# Altium PCB BMS.PcbDoc (part 1 of 2)
Units mil, origin at the board's own origin, x right, y up, seen from the top; angles counter-clockwise.
Board outline 3724.71 x 1020 mil, 4 copper layers (Component Side, Ground Plane, Power Plane, Solder Side), stack 60.8 mil thick; 248 components, 158 nets, 745 pads, 646 vias.
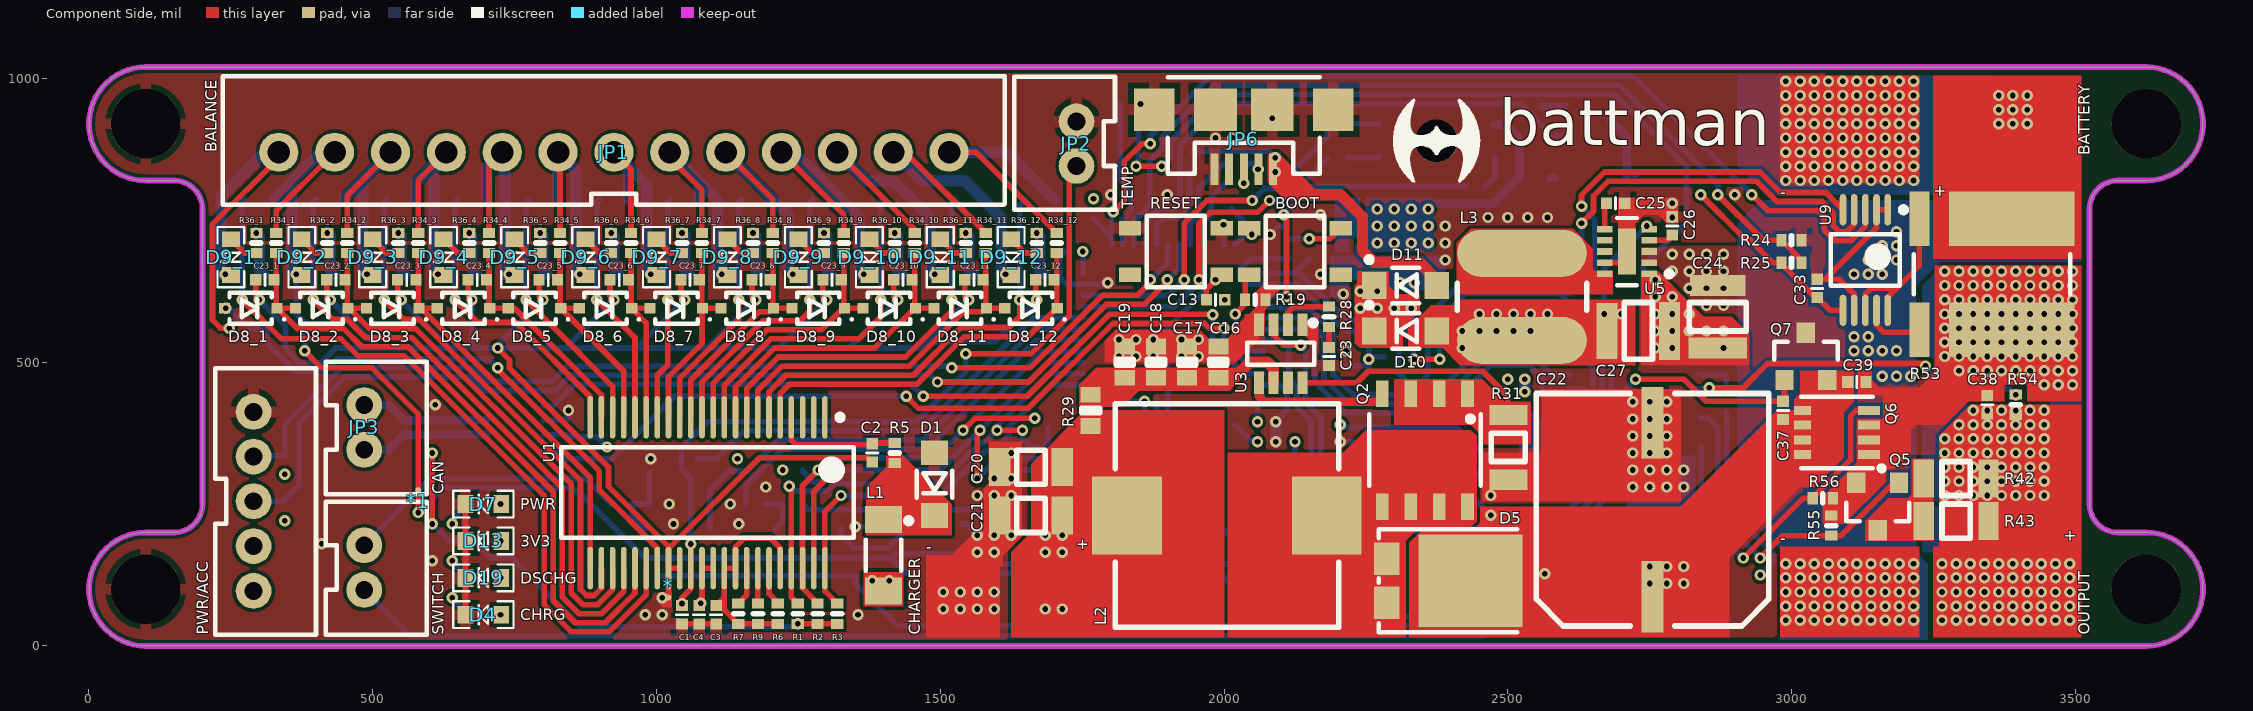
[diagram p0: Component Side view]
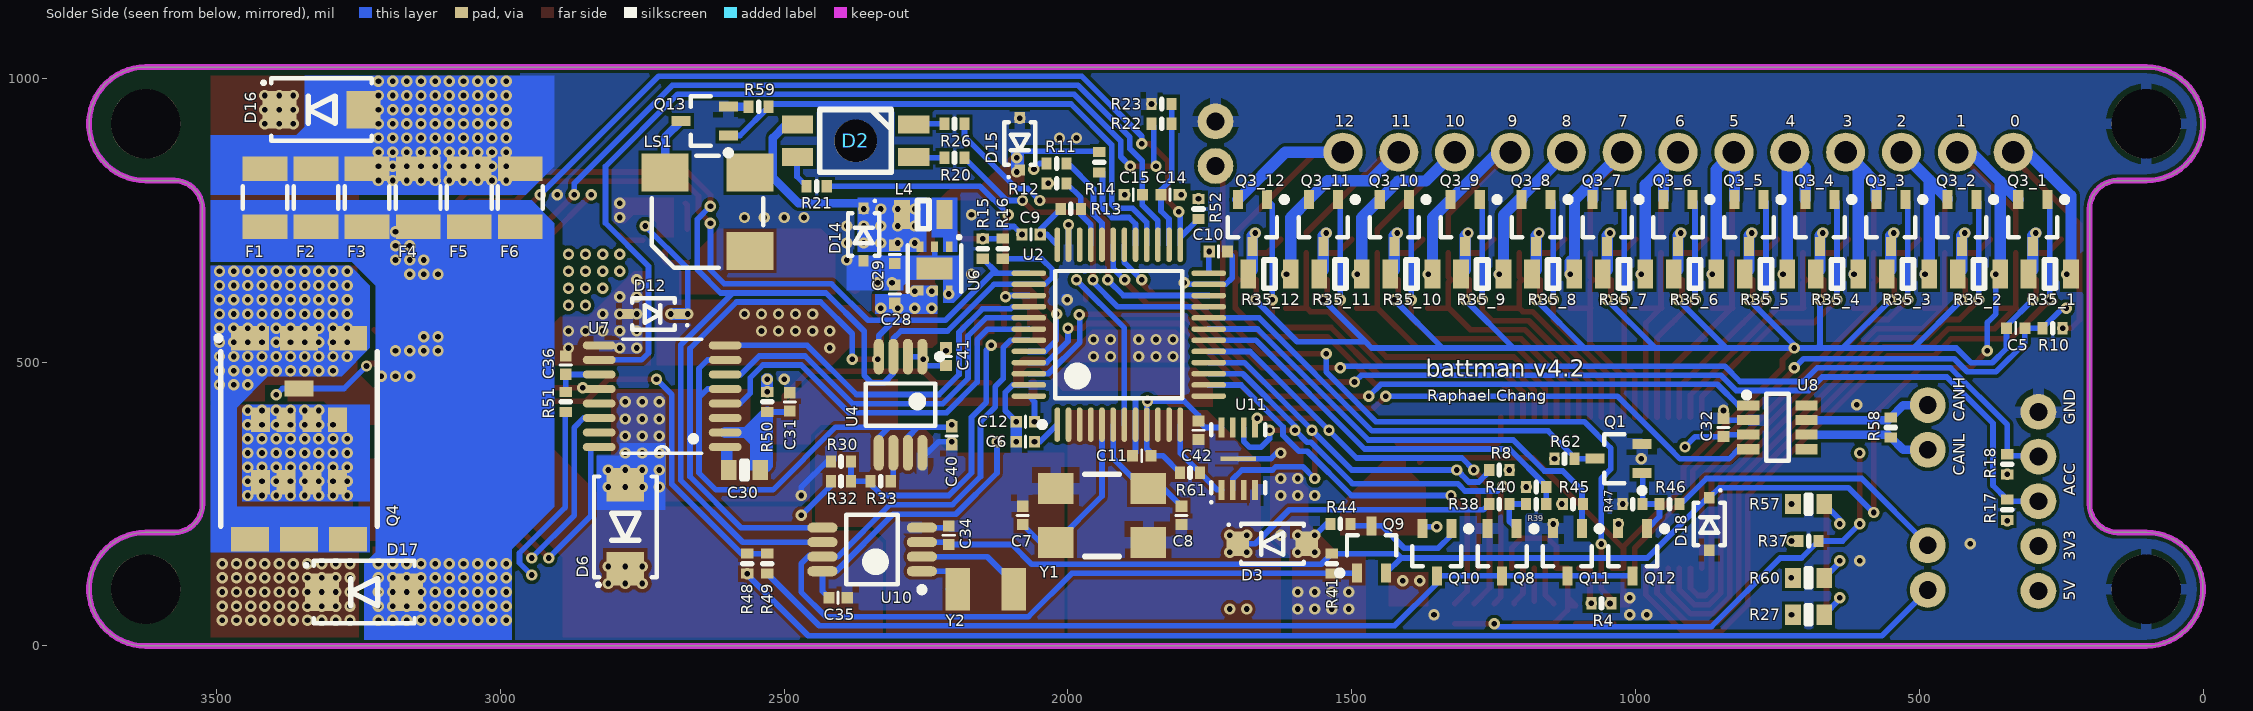
[diagram p1: Solder Side view, seen from below]
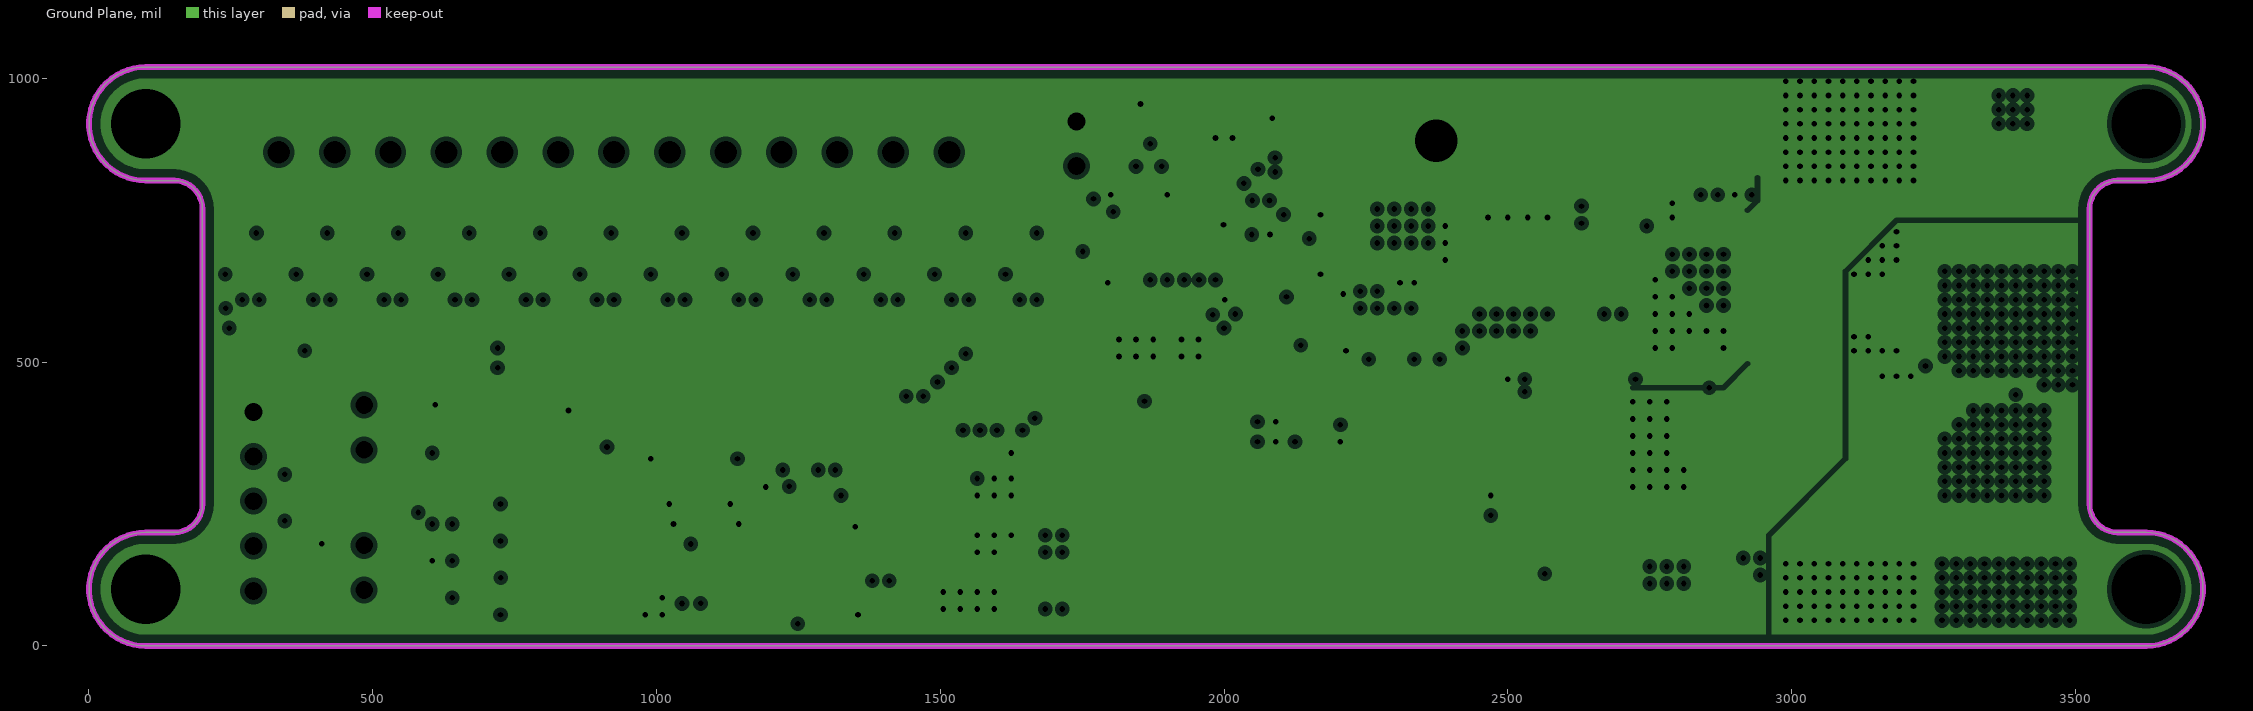
[diagram p2: Ground Plane, clearances drawn from the general rule]
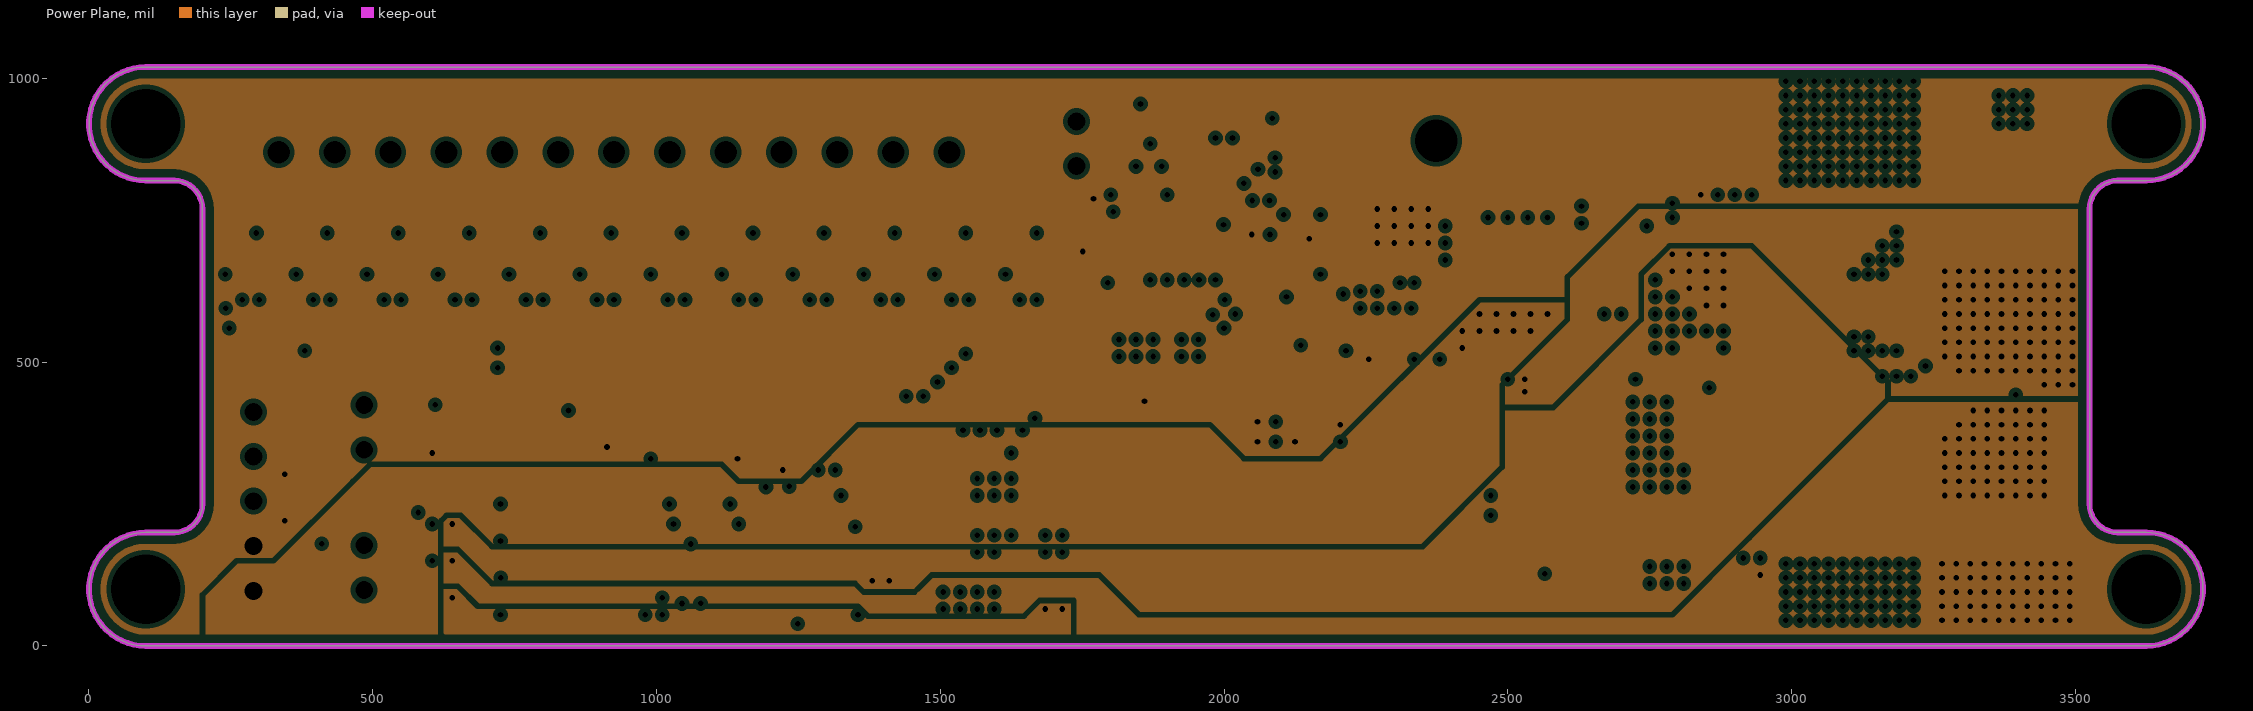
[diagram p3: Power Plane, clearances drawn from the general rule]
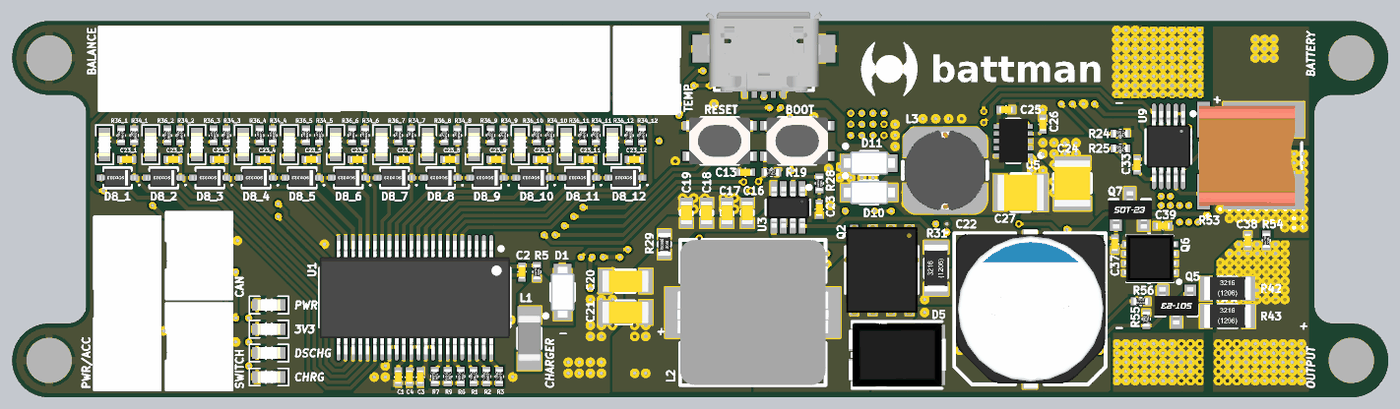
[diagram p5: 3D render of the assembled board from above, using the file's embedded part models]
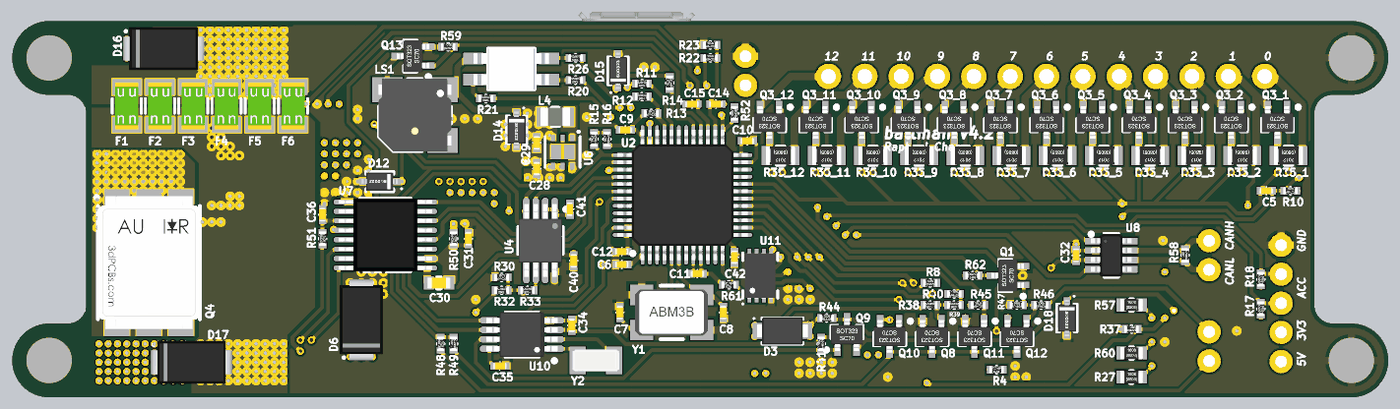
[diagram p6: 3D render of the assembled board from below, using the file's embedded part models]

## Layer stack, top to bottom
Top Solder: solder mask 0.4, Solder Resist, Dk 3.5
Component Side: signal copper 1.4
Dielectric 1: prepreg 9.1, 2116, Dk 4.2
Ground Plane: plane copper 1.4, net (Multiple Nets)
Dielectric 3: core 37, FR-4, Dk 4.2
Power Plane: plane copper 1.4, net (Multiple Nets)
Dielectric 4: prepreg 9.1, 2116, Dk 4.2
Solder Side: signal copper 1.4
Bottom Solder: solder mask 0.4, Solder Resist, Dk 3.5

## Board outline
100,200 150,200 ccw(c150,250) 200,250 200,770 ccw(c150,770) 150,820 100,820 cw(c100,920) 100,1020 3625,1020 cw(c3625,920) 3625,820 3575,820 ccw(c3575,770) 3525,770 3525,250 ccw(c3575,250) 3575,200 3625,200 cw(c3625,100) 3625,0 100,0 cw(c100,100)

## Design rules (kind name [scope] priority, off if disabled: settings)
Clearance [All] p1: gap=6
ComponentClearance [Not IsNetTieComponent vs Not IsNetTieComponent] p1: gap=10 collisioncheckmode=3 verticalgap=10 showdistances=FALSE
HoleSize [All] p1: absolutevalues=TRUE maxlimit=500 minlimit=1 maxpercent=80.000 minpercent=20.000
MinimumSolderMaskSliver [All] p1: minsoldermaskwidth=3
PlaneClearance [All] p1: clearance=8
PlaneConnect [All] p1: planeconnectstyle=Direct reliefexpansion=20 reliefentries=4 reliefconductorwidth=10 reliefairgap=10
PolygonConnect PolygonConnectLED [HasFootprint('XZMDKCBDDG45S-9')] p1: connectstyle=Direct reliefconductorwidth=10 reliefentries=4 polygonreliefangle="90 Angle" airgapwidth=10
PolygonConnect PolygonConnectPower [IsNamedPolygon('Power')] p2: connectstyle=Direct reliefconductorwidth=10 reliefentries=4 polygonreliefangle="90 Angle" airgapwidth=10
PolygonConnect PolygonConnectVDD [All vs InNet('VDD')] p3: connectstyle=Direct reliefconductorwidth=10 reliefentries=4 polygonreliefangle="90 Angle" airgapwidth=10
PolygonConnect PolygonConnectVia [All vs IsVia] p4: connectstyle=Direct reliefconductorwidth=10 reliefentries=4 polygonreliefangle="90 Angle" airgapwidth=10
PolygonConnect [All] p5: connectstyle=Relief reliefconductorwidth=20 reliefentries=4 polygonreliefangle="90 Angle" airgapwidth=10
RoutingVias [All] p1: holewidth=10 width=20 viastyle="Through Hole" minholewidth=10 minwidth=20 maxholewidth=28 maxwidth=50
SilkToSilkClearance [All] p1: silktosilkclearance=0
SolderMaskExpansion SolderMaskExpansionVia [IsVia] p1: expansion=1 soldermaskfromhole=TRUE
SolderMaskExpansion [All] p2: expansion=3
Width [All] p1: maxlimit=500 minlimit=10 preferedwidth=10 minimp=50.000000 maximp=50.000000 favimp=50.000000
24 further rules are at their usual default settings.

## Classes and differential pairs
component class U_Flash: C42 R61 U11
component class U_CurrentSense: C33 R53
component class U_Connectors: ACCESSORY JP3 JP6 SWITCH
component class U_CAN: C33 R53 U7
component class 1: C23_1 D8_1 D9_1 R34_1 R35_1 R36_1
component class 2: C23_2 D8_2 D9_2 R34_2 R35_2 R36_2
component class 3: C23_3 D8_3 D9_3 R34_3 R35_3 R36_3
component class 4: C23_4 D8_4 D9_4 R34_4 R35_4 R36_4
component class 5: C23_5 D8_5 D9_5 R34_5 R35_5 R36_5
component class 6: C23_6 D8_6 D9_6 R34_6 R35_6 R36_6
component class 7: C23_7 D8_7 D9_7 R34_7 R35_7 R36_7
component class 8: C23_8 D8_8 D9_8 R34_8 R35_8 R36_8
component class 9: C23_9 D8_9 D9_9 R34_9 R35_9 R36_9
component class 10: C23_10 D8_10 D9_10 R34_10 R35_10 R36_10
component class 11: C23_11 D8_11 D9_11 R34_11 R35_11 R36_11
component class 12: C23_12 D8_12 D9_12 R34_12 R35_12 R36_12
component class U_3V3: C9 C14 C24 C25 C27 C30 D7 D14 D15 D16 L2 L4 R16 U6
channel class Cell: 1 2 3 4 5 6 7 8 9 10 11 12
component class U_MCU: BOOT C4 C10 C12 C14 C15 C25 C27 C30 C33 C42 D15 Q1 R7 R9 R13 R15 R16 R18 R19 R20 R21 R23 R24 R25 R30 R53 R60 R62 RESET U2
component class U_Charging: C14 C20 C21 C27 C30 C41 C42 D4 D7 D15 L2 R23 R29 R30 R32 R33 U2 U4
component class U_LTC6803: C1 C2 C4 C27 D1 JP1 JP3 L1 R1 R2 R3 R4 R6 R7 R9 R30 U1
component class U_Switches: C10 C30 C? D16 F1 F2 Q4 Q5 Q7 Q8 Q10 Q11 R10 R37 R41 R42 R46 R48 R49 R60 U7
component class U_RTCC: U10 Y2
net class CELL: CELL1 CELL2 CELL3 CELL4 CELL5 CELL6 CELL7 CELL8 CELL9 CELL10 CELL11 CELL12
component class U_Buzzer: LS1 Q8 R60

## Components (designator, comment, footprint, x,y, rotation, side; value= is the part's Value field where it differs from the comment)
* "NetTie" NETTIE 1021.1,105 r90 top net-tie
*1 "NetTie" NETTIE 580,255 r270 top net-tie
BOOT "" SWITCH 2125,695 r180 top
C1 "1uF 6.3V 0402" C0402[1005X55] 1045,55 r90 top
C2 "0.1uF 100V 0402" C0402[1005X55] 1380,340 r90 top
C3 "1uF 6.3V 0402" C0402[1005X55] 1105,55 r90 top
C4 "1uF 6.3V 0402" C0402[1005X55] 1075,55 r90 top
C5 "0.1uF 6.3V 0402" C0402[1005X55] 330,560 r180 bottom
C6 "4.7uF 6.3V 0402" C0402[1005X55] 2075,360 r180 bottom
C7 "15pF 50V 0402" C0402[1005X55] 2080,230 r270 bottom
C8 "15pF 50V 0402" C0402[1005X55] 1800,230 r90 bottom
C9 "2.2uF 6.3V 0402" C0402[1005X55] 2065,725 r180 bottom
C10 "2.2uF 6.3V 0402" C0402[1005X55] 1735,695 r0 bottom
C11 "2.2uF 6.3V 0402" C0402[1005X55] 1870,335 r180 bottom
C12 "2.2uF 6.3V 0402" C0402[1005X55] 2075,395 r180 bottom
C13 "0.1uF 6.3V 0402" C0402[1005X55] 1985,610 r0 top
C14 "0.1uF 6.3V 0402" C0402[1005X55] 1820,795 r0 bottom
C15 "2.2uF 6.3V 0402" C0402[1005X55] 1885,795 r180 bottom
C16 "10uF 16V 0603" C0603[1608X92] 1990,500 r270 top
C17 "10uF 16V 0603" C0603[1608X92] 1935,500 r270 top
C18 "10uF 16V 0603" C0603[1608X92] 1880,500 r270 top
C19 "10uF 16V 0603" C0603[1608X92] 1825,500 r270 top
C20 "10uF 50V 1206" C1206[3216X160] 1660,315 r0 top
C21 "10uF 50V 1206" C1206[3216X160] 1660,230 r0 top
C22 "180uF 50V" CAP-ELECTROLYTIC[10.0X12.6] 2755,240 r180 top
C23 "2.2nF 50V 0402" C0402[1005X55] 2185,510 r90 top
C23_1 "0.1uF 100V 0402" C0402[1005X55] 310,645 r0 top (schematic designator C23)
C23_2 "0.1uF 100V 0402" C0402[1005X55] 435,645 r0 top (schematic designator C23)
C23_3 "0.1uF 100V 0402" C0402[1005X55] 560,645 r0 top (schematic designator C23)
C23_4 "0.1uF 100V 0402" C0402[1005X55] 684.25,645 r0 top (schematic designator C23)
C23_5 "0.1uF 100V 0402" C0402[1005X55] 809.25,645 r0 top (schematic designator C23)
C23_6 "0.1uF 100V 0402" C0402[1005X55] 934.25,645 r0 top (schematic designator C23)
C23_7 "0.1uF 100V 0402" C0402[1005X55] 1059.25,645 r0 top (schematic designator C23)
C23_8 "0.1uF 100V 0402" C0402[1005X55] 1184.25,645 r0 top (schematic designator C23)
C23_9 "0.1uF 100V 0402" C0402[1005X55] 1309.25,645 r0 top (schematic designator C23)
C23_10 "0.1uF 100V 0402" C0402[1005X55] 1434.25,645 r0 top (schematic designator C23)
C23_11 "0.1uF 100V 0402" C0402[1005X55] 1559.25,645 r0 top (schematic designator C23)
C23_12 "0.1uF 100V 0402" C0402[1005X55] 1684.25,645 r0 top (schematic designator C23)
C24 "4.7uF 100V 1210" C1210[3225X200] 2870,580 r90 top
C25 "3.3nF 50V 0402" C0402[1005X55] 2690,780 r180 top
C26 "1uF 6.3V 0402" C0402[1005X55] 2790,740 r270 top
C27 "47uF 6.3V 1210" C1210[3225X250] 2730,555 r180 top
C28 "10uF 6.3V 0402" C0402[1005X55] 2305,620 r270 bottom
C29 "10uF 6.3V 0402" C0402[1005X55] 2305,690 r90 bottom
C30 "1uF 50V 0603" C0603[1608X92] 2570,310 r0 bottom
C31 "10nF 100V 0402" C0402[1005X55] 2490,430 r270 bottom
C32 "0.1uF 6.3V 0402" C0402[1005X55] 845,385 r270 bottom
C33 "1uF 6.3V 0402" C0402[1005X55] 3045,630 r270 top
C34 "0.1uF 6.3V 0402" C0402[1005X55] 2210,195 r270 bottom
C35 "0.1uF 6.3V 0402" C0402[1005X55] 2405,85 r180 bottom
C36 "10nF 100V 0402" C0402[1005X55] 2885,495 r270 bottom
C37 "1nF 50V 0402" C0402[1005X55] 2985,415 r270 top
C38 "0.1uF 100V 0402" C0402[1005X55] 3345,425 r270 top
C39 "0.1uF 100V 0402" C0402[1005X55] 3115,465 r180 top
C40 "0.1uF 6.3V 0402" C0402[1005X55] 2205,370 r90 bottom
C41 "0.1uF 6.3V 0402" C0402[1005X55] 2215,510 r270 bottom
C42 "0.1uF 6.3V 0402" C0402[1005X55] 1770,380 r270 bottom
D1 "CMHZ5265B TR" SOD-123 1490,285 r90 top
D2 "XZMDKCBDDG45S-9" XZMDKCBDDG45S-9 2374.15,890 r180 bottom
D3 "PTVS51VS1UTR" SOD-123W 1640,180 r180 bottom
D4 "LED_0603_GREEN_5mA" LED0603 695,55 r180 top
D5 "FSV10120V" TO-277 2395,115 r180 top
D6 "SMAJ51A" DO-214AC 2780,210 r90 bottom
D7 "LED-BLUE" LED0603 695,250 r180 top
D8_1 "MM3Z12VT1G" SOD-323 285,595 r180 top (schematic designator D8)
D8_2 "MM3Z12VT1G" SOD-323 410,595 r180 top (schematic designator D8)
D8_3 "MM3Z12VT1G" SOD-323 535,595 r180 top (schematic designator D8)
D8_4 "MM3Z12VT1G" SOD-323 660,595 r180 top (schematic designator D8)
D8_5 "MM3Z12VT1G" SOD-323 785,595 r180 top (schematic designator D8)
D8_6 "MM3Z12VT1G" SOD-323 910,595 r180 top (schematic designator D8)
D8_7 "MM3Z12VT1G" SOD-323 1035,595 r180 top (schematic designator D8)
D8_8 "MM3Z12VT1G" SOD-323 1160,595 r180 top (schematic designator D8)
D8_9 "MM3Z12VT1G" SOD-323 1285,595 r180 top (schematic designator D8)
D8_10 "MM3Z12VT1G" SOD-323 1410,595 r180 top (schematic designator D8)
D8_11 "MM3Z12VT1G" SOD-323 1535,595 r180 top (schematic designator D8)
D8_12 "MM3Z12VT1G" SOD-323 1660,595 r180 top (schematic designator D8)
D9_1 "LED_0603_BLUE_5mA" LED0603 250,685 r270 top (schematic designator D9)
D9_2 "LED_0603_BLUE_5mA" LED0603 375,685 r270 top (schematic designator D9)
D9_3 "LED_0603_BLUE_5mA" LED0603 500,685 r270 top (schematic designator D9)
D9_4 "LED_0603_BLUE_5mA" LED0603 625,685 r270 top (schematic designator D9)
D9_5 "LED_0603_BLUE_5mA" LED0603 750,685 r270 top (schematic designator D9)
D9_6 "LED_0603_BLUE_5mA" LED0603 875,685 r270 top (schematic designator D9)
D9_7 "LED_0603_BLUE_5mA" LED0603 1000,685 r270 top (schematic designator D9)
D9_8 "LED_0603_BLUE_5mA" LED0603 1125,685 r270 top (schematic designator D9)
D9_9 "LED_0603_BLUE_5mA" LED0603 1250,685 r270 top (schematic designator D9)
D9_10 "LED_0603_BLUE_5mA" LED0603 1375,685 r270 top (schematic designator D9)
D9_11 "LED_0603_BLUE_5mA" LED0603 1500,685 r270 top (schematic designator D9)
D9_12 "LED_0603_BLUE_5mA" LED0603 1625,685 r270 top (schematic designator D9)
D10 "PMEG6020ER" SOD-123 2320,555 r0 top
D11 "PMEG6020ER" SOD-123 2320,635 r0 top
D12 "SP4021-01FTG" SOD-323 2730,585 r0 bottom
D13 "LED_0603_GREEN_5mA" LED0603 695,185 r180 top
D14 "SP4020-01FTG" SOD-323 2360,725 r270 bottom
D15 "SP4021-01FTG" SOD-323 2085,885 r90 bottom
D16 "SMAJ51A" DO-214AC 3315,945 r180 bottom
D17 "SMAJ51A" DO-214AC 3240,95 r180 bottom
D18 "SP4021-01FTG" SOD-323 870,215 r270 bottom
D19 "LED-BLUE" LED0603 695,120 r180 top
F1 "FUSE 1206" 1206_FUSE 3415,790 r90 bottom
F2 "FUSE 1206" 1206_FUSE 3325,790 r90 bottom
F3 "FUSE 1206" 1206_FUSE 3235,790 r90 bottom
F4 "FUSE 1206" 1206_FUSE 3145,790 r90 bottom
F5 "FUSE 1206" 1206_FUSE 3055,790 r90 bottom
F6 "FUSE 1206" 1206_FUSE 2965,790 r90 bottom
JP1 "BALANCE" JST-XH-13-PTH-VERT 925,870 r0 top
JP2 "TEMP" JST-PH-2-PTH-VERT 1740,885 r90 top
JP3 "CAN" JST-PH-2-PTH-VERT 485,385 r270 top
JP6 "USB" USB-MICROB 2035,945 r180 top
L1 "MURA-FB-2" MURA-BLM31-B60-CHIP-2_V3 1400,160 r90 top
L2 "SRP1038A-220M" SRP1038A 2005,230 r0 top
L3 "" SDR0604 2525,615 r270 top
L4 "2.2uH" IND0805 2255,760 r0 bottom
LS1 "CSS-0575A-SMT" CSS-0575A-SMT 2635,765 r0 bottom
PWR/ACC "PWR/ACC" JST-PH-5-PTH-VERT 290,255 r270 top (schematic designator JP5)
Q1 "BSS123" SOT323-3 1030,330 r0 bottom
Q2 "SIR664DP" POWERPAK-8 2354,345 r270 top
Q3_1 "BSS84PWH6327XTSA1" SOT323-3 300,745 r270 bottom (schematic designator Q3)
Q3_2 "BSS84PWH6327XTSA1" SOT323-3 425,745 r270 bottom (schematic designator Q3)
Q3_3 "BSS84PWH6327XTSA1" SOT323-3 550,745 r270 bottom (schematic designator Q3)
Q3_4 "BSS84PWH6327XTSA1" SOT323-3 675,745 r270 bottom (schematic designator Q3)
Q3_5 "BSS84PWH6327XTSA1" SOT323-3 800,745 r270 bottom (schematic designator Q3)
Q3_6 "BSS84PWH6327XTSA1" SOT323-3 925,745 r270 bottom (schematic designator Q3)
Q3_7 "BSS84PWH6327XTSA1" SOT323-3 1050,745 r270 bottom (schematic designator Q3)
Q3_8 "BSS84PWH6327XTSA1" SOT323-3 1175,745 r270 bottom (schematic designator Q3)
Q3_9 "BSS84PWH6327XTSA1" SOT323-3 1300,745 r270 bottom (schematic designator Q3)
Q3_10 "BSS84PWH6327XTSA1" SOT323-3 1425,745 r270 bottom (schematic designator Q3)
Q3_11 "BSS84PWH6327XTSA1" SOT323-3 1550,745 r270 bottom (schematic designator Q3)
Q3_12 "BSS84PWH6327XTSA1" SOT323-3 1675,745 r270 bottom (schematic designator Q3)
Q4 "IRF7749L1" DIRECTFET-9 3355,365 r270 bottom
Q5 "SI2309CDS-T1-GE3" SOT23-3 3152,248 r180 top
Q6 "SIS862DN-T1-GE3" PowerPak-1212-8 3080,376 r180 top
Q7 "SI2309CDS-T1-GE3" SOT23-3 3025,508 r0 top
Q8 "BSS123" SOT323-3 1235,165 r270 bottom
Q9 "BSS84PWH6327XTSA1" SOT323-3 1465,170 r90 bottom
Q10 "BSS123" SOT323-3 1350,165 r270 bottom
Q11 "BSS123" SOT323-3 1120,165 r270 bottom
Q12 "BSS123" SOT323-3 1005,165 r270 bottom
Q13 "BSS123" SOT323-3 2640,925 r0 bottom
R1 "1M 1% 0402" R0402[1005] 1248.86,56.72 r90 top
R2 "1M 1% 0402" R0402[1005] 1283.86,56.72 r90 top
R3 "1M 1% 0402" R0402[1005] 1318.6,56.72 r90 top
R4 "100K 1% 0402" R0402[1005] 1060,75 r0 bottom
R5 "100R 1% 0402" R0402[1005] 1420,340 r270 top
R6 "1M 1% 0402" R0402[1005] 1213.88,56.72 r270 top
R7 "1M 1% 0402" R0402[1005] 1143.86,56.72 r270 top
R8 "1K 1% 0402" R0402[1005] 1240,310 r180 bottom
R9 "1M 1% 0402" R0402[1005] 1178.86,56.72 r270 top
R10 "100R 1% 0402" R0402[1005] 265,560 r180 bottom
R11 "22R 1% 0402" R0402[1005] 2020,850 r0 bottom
R12 "22R 1% 0402" R0402[1005] 2020,815 r0 bottom
R13 "1K5 1% 0402" R0402[1005] 1995,770 r180 bottom
R14 "10K 1% 0402" R0402[1005] 1945,852.28 r90 bottom
R15 "2K2 1% 0402" R0402[1005] 2150,700 r90 bottom
R16 "2K2 1% 0402" R0402[1005] 2115,700 r90 bottom
R17 "4K7 1% 0402" R0402[1005] 345,240 r270 bottom
R18 "4K7 1% 0402" R0402[1005] 345,320 r270 bottom
R19 "10K 1% 0402" R0402[1005] 2055,610 r0 top
R20 "4R7 1% 0402" R0402[1005] 2200,860 r0 bottom
R21 "4R7 1% 0402" R0402[1005] 2442.71,810 r0 bottom
R22 "200K 1% 0402" R0402[1005] 1835,920 r180 bottom
R23 "10K 1% 0402" R0402[1005] 1835,955 r180 bottom
R24 "10K 1% 0402" R0402[1005] 3000,715 r180 top
R25 "10K 0.5% 0402" R0402[1005] 3000,675 r180 top
R26 "68R 1% 0402" R0402[1005] 2200,920 r0 bottom
R27 "10K 1% 0603" R0603[1608] 695,55 r180 bottom
R28 "10K 1% 0402" R0402[1005] 2185,580 r270 top
R29 "2K 2% 0603" R0603[1608] 1765,415 r270 top
R30 "6K98 1% 0402" R0402[1005] 2400,325 r180 bottom
R31 "0.016R 1% 1206" R1206[3216] 2501,350 r90 top
R32 "200K 1% 0402" R0402[1005] 2400,290 r0 bottom
R33 "15K 1% 0402" R0402[1005] 2330,290 r0 bottom
R34_1 "100R 1% 0402" R0402[1005] 330,710 r90 top (schematic designator R34)
R34_2 "100R 1% 0402" R0402[1005] 455,710 r90 top (schematic designator R34)
R34_3 "100R 1% 0402" R0402[1005] 580,710 r90 top (schematic designator R34)
R34_4 "100R 1% 0402" R0402[1005] 705,710 r90 top (schematic designator R34)
R34_5 "100R 1% 0402" R0402[1005] 830,710 r90 top (schematic designator R34)
R34_6 "100R 1% 0402" R0402[1005] 955,710 r90 top (schematic designator R34)
R34_7 "100R 1% 0402" R0402[1005] 1080,710 r90 top (schematic designator R34)
R34_8 "100R 1% 0402" R0402[1005] 1205,710 r90 top (schematic designator R34)
R34_9 "100R 1% 0402" R0402[1005] 1330,710 r90 top (schematic designator R34)
R34_10 "100R 1% 0402" R0402[1005] 1455,710 r90 top (schematic designator R34)
R34_11 "100R 1% 0402" R0402[1005] 1580,710 r90 top (schematic designator R34)
R34_12 "100R 1% 0402" R0402[1005] 1705,710 r90 top (schematic designator R34)